# KiCad board ciaa_acc.kicad_pcb (continued)
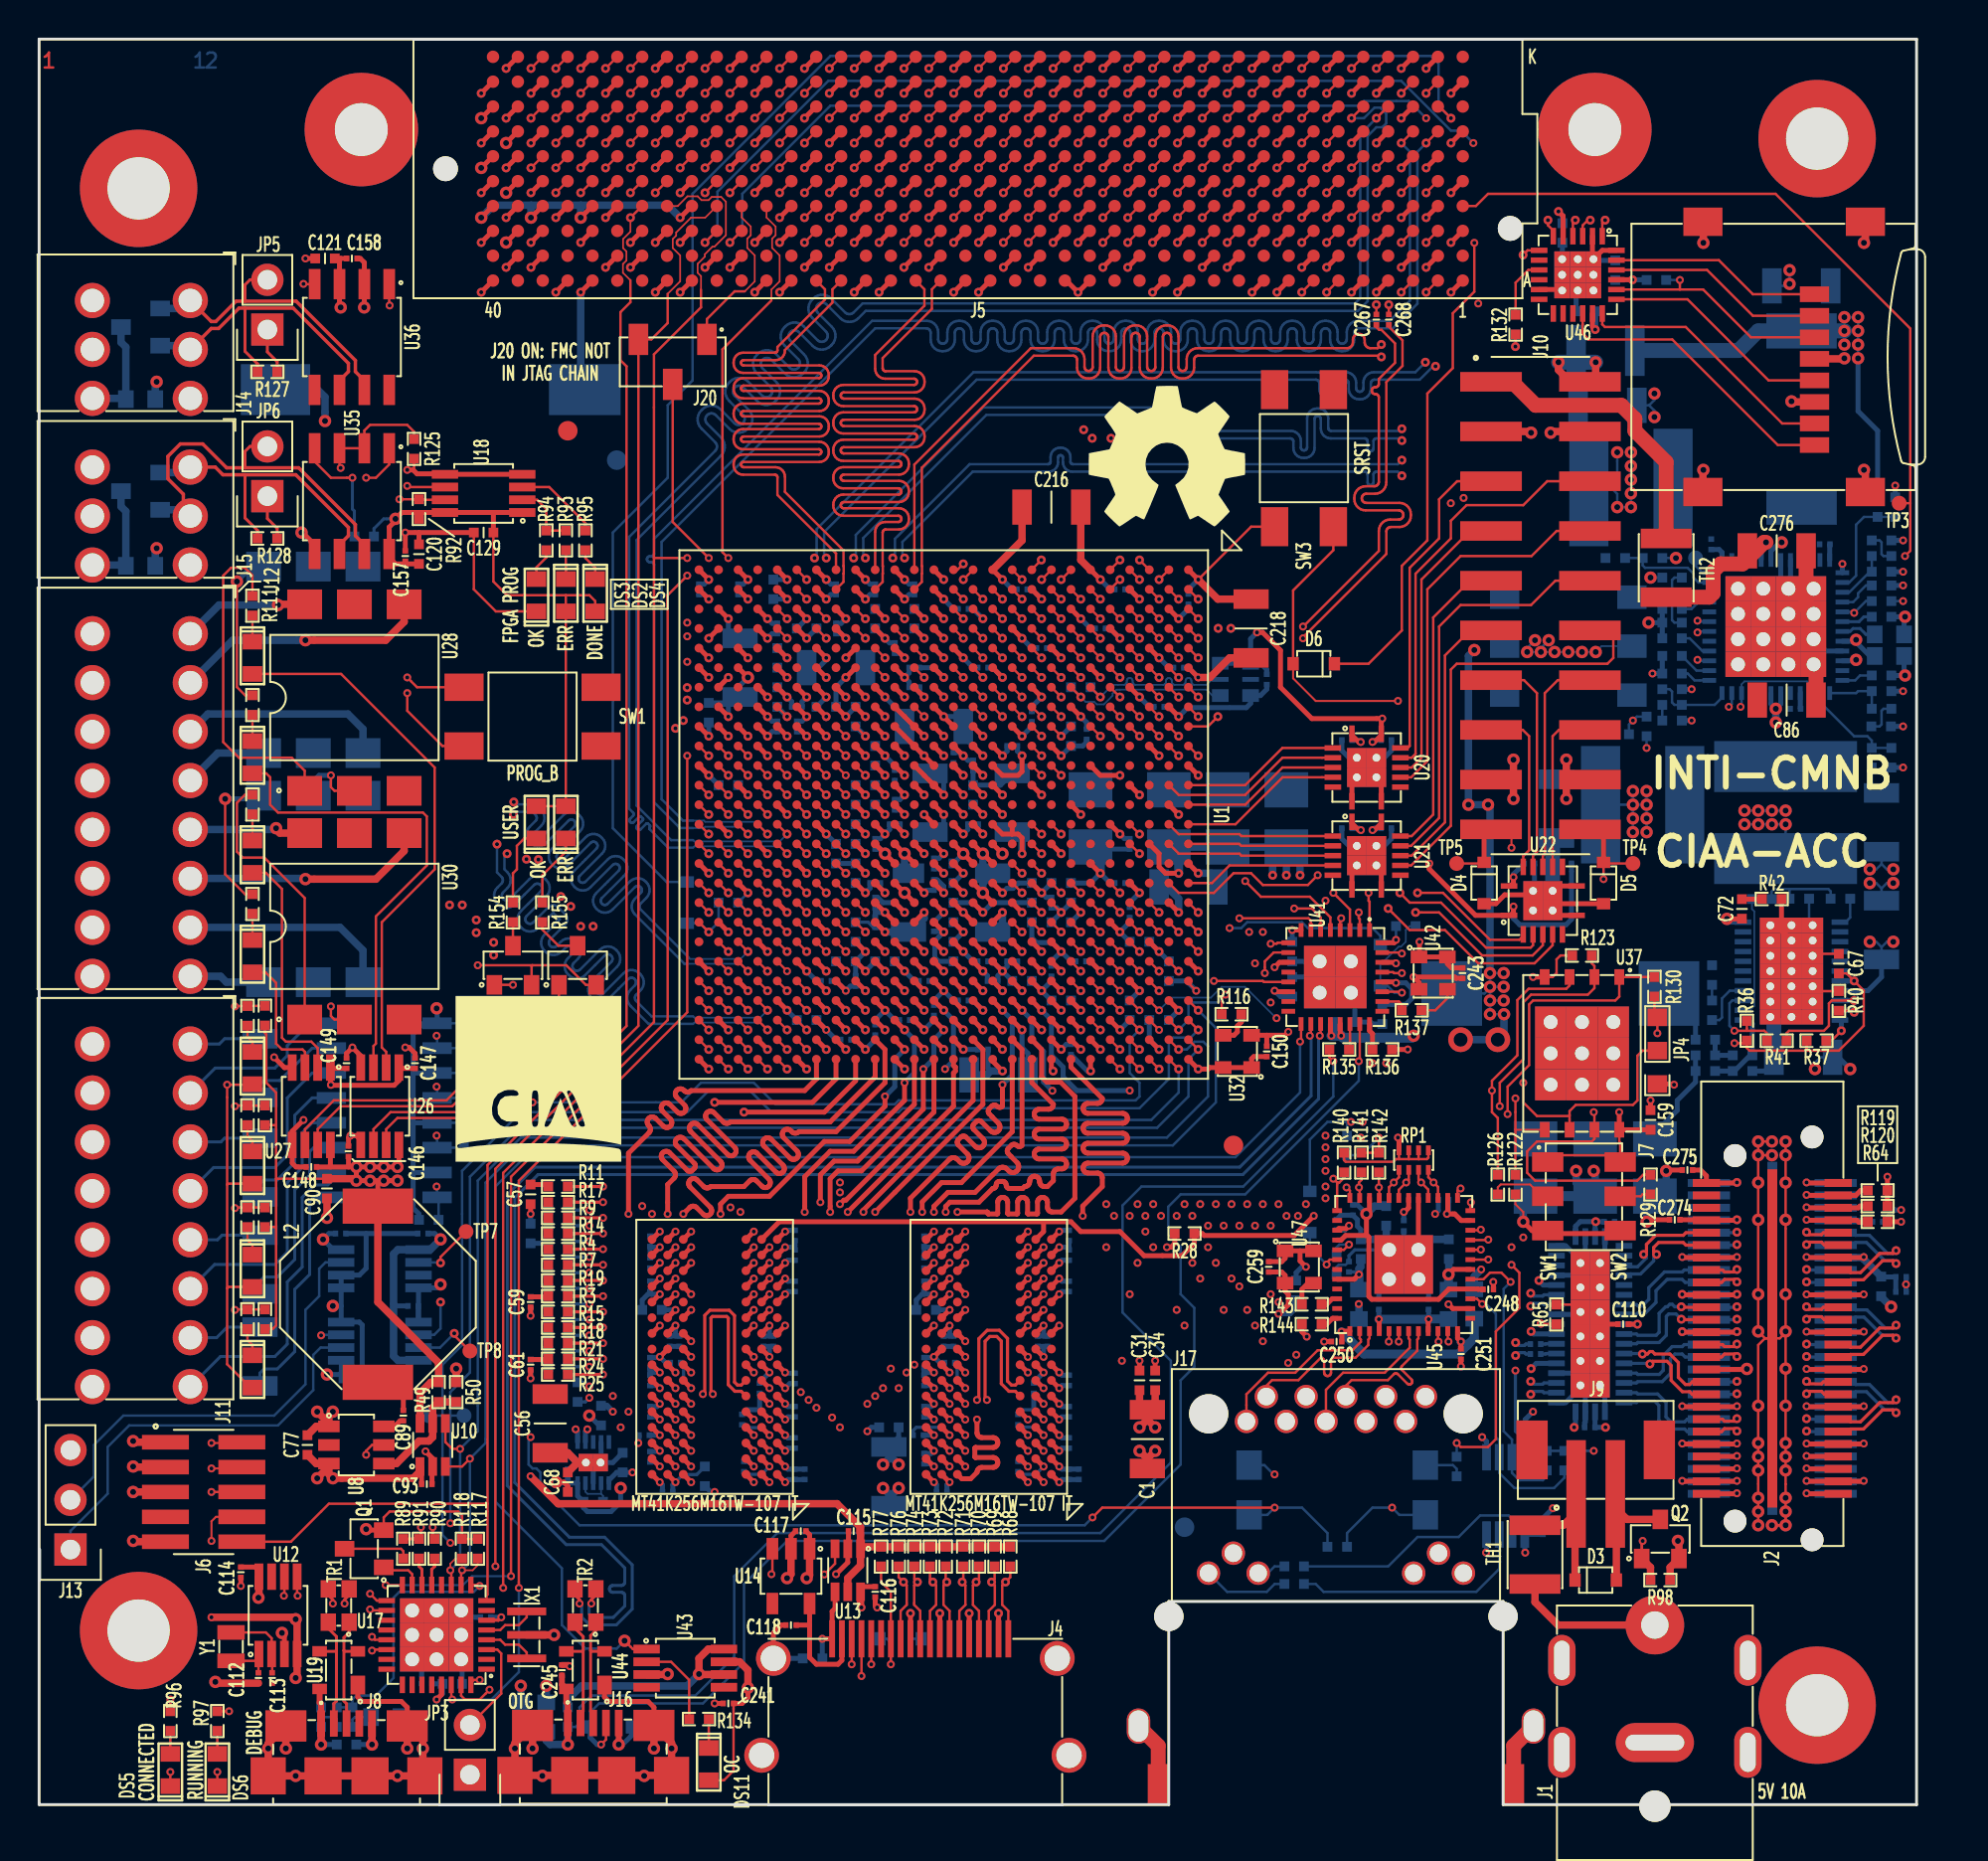
[diagram p0: board, top side]
## Routing (per net, layer and track width the routed paths; a pad name or vN(x,y) marks a point on that pad's centre or on a via; arc(x,y) is an arc through that point) (continued)
/Principal/BANK_501/ETH_RX2: length 38.1
  TOP_L1.Sig w0.127: U45.28 70.94,31.42 v1(70.58,31.78) 70.45,31.91 RP1.7 ; U1.F19 v2(54.2,44.57)
  L3.Sig w0.107: v2(54.2,44.57) 54.7,44.07 54.7,40.27 54.9,40.07 59.5,40.07 59.56,40.06 59.61,40.05 59.66,40.02 59.7,39.98 59.73,39.93 59.74,39.88 59.75,39.82 59.75,39.57 59.76,39.51 59.77,39.46 59.8,39.41 59.84,39.37 59.89,39.34 59.94,39.33 60,39.32 60.06,39.33 60.11,39.34 60.16,39.37 60.2,39.41 60.23,39.46 60.24,39.51 60.25,39.57 60.25,40.32 60.26,40.38 60.27,40.43 60.3,40.48 60.34,40.52 60.39,40.55 60.44,40.56 60.5,40.57 60.56,40.56 60.61,40.55 60.66,40.52 60.7,40.48 60.73,40.43 60.74,40.38 60.76,40.26 60.77,40.21 60.8,40.16 60.84,40.12 60.89,40.09 60.94,40.08 61,40.07 61.2,40.07 61.22,40.04 61.24,40.01 61.24,39.98 61.24,39.95 61.24,39.91 61.22,39.88 61.2,39.86 60.78,39.43 60.75,39.41 60.74,39.38 60.73,39.34 60.73,39.31 60.74,39.28 60.75,39.25 60.78,39.22 60.8,39.2 60.83,39.19 60.87,39.18 60.9,39.18 60.93,39.19 60.96,39.2 60.99,39.22 61.73,39.96 61.76,39.98 61.79,40 61.82,40.01 61.85,40.01 61.89,40 61.92,39.98 61.94,39.96 61.96,39.94 61.98,39.91 61.99,39.87 61.99,39.84 61.98,39.81 61.96,39.78 61.94,39.75 61.62,39.43 61.6,39.41 61.59,39.38 61.58,39.34 61.58,39.31 61.59,39.28 61.6,39.25 61.62,39.22 61.65,39.2 61.68,39.19 61.71,39.18 61.75,39.18 61.78,39.19 61.81,39.2 61.84,39.22 62.15,39.54 62.18,39.56 62.21,39.58 62.24,39.58 62.28,39.58 62.31,39.58 62.34,39.56 62.37,39.54 62.39,39.51 62.4,39.48 62.41,39.45 62.41,39.42 62.4,39.38 62.39,39.35 62.37,39.33 62.26,39.22 62.24,39.2 62.23,39.16 62.22,39.13 62.22,39.1 62.23,39.07 62.24,39.04 62.26,39.01 62.29,38.99 62.32,38.97 62.35,38.97 62.38,38.97 62.42,38.97 62.45,38.99 62.47,39.01 62.58,39.12 62.61,39.14 62.64,39.15 62.67,39.16 62.7,39.16 62.73,39.15 62.76,39.14 62.79,39.12 62.81,39.09 62.83,39.06 62.83,39.03 62.83,38.99 62.83,38.96 62.81,38.93 62.79,38.9 62.68,38.8 62.66,38.77 62.65,38.74 62.64,38.71 62.64,38.67 62.65,38.64 62.66,38.61 62.68,38.59 62.71,38.56 62.74,38.55 62.77,38.54 62.81,38.54 62.84,38.55 62.87,38.56 62.9,38.59 63,38.69 63.03,38.71 63.06,38.73 63.09,38.73 63.13,38.73 63.16,38.73 63.19,38.71 63.22,38.69 63.24,38.66 63.25,38.63 63.26,38.6 63.26,38.57 63.25,38.54 63.24,38.51 63.22,38.48 63.11,38.37 63.09,38.35 63.07,38.32 63.07,38.28 63.07,38.25 63.07,38.22 63.09,38.19 63.11,38.16 63.14,38.14 63.17,38.13 63.2,38.12 63.23,38.12 63.26,38.13 63.3,38.14 63.32,38.16 63.43,38.27 63.45,38.29 63.48,38.3 63.52,38.31 63.55,38.31 63.58,38.3 63.61,38.29 63.64,38.27 63.66,38.24 63.68,38.21 63.68,38.18 63.68,38.14 63.68,38.11 63.66,38.08 63.64,38.05 63.53,37.95 63.51,37.92 63.5,37.89 63.49,37.86 63.49,37.83 63.5,37.79 63.51,37.76 63.53,37.74 63.56,37.72 63.59,37.7 63.62,37.69 63.66,37.69 63.69,37.7 63.72,37.72 63.75,37.74 63.85,37.84 63.88,37.86 63.91,37.88 63.94,37.89 63.97,37.89 64.01,37.88 64.04,37.86 64.06,37.84 64.08,37.82 64.1,37.79 64.11,37.75 64.11,37.72 64.1,37.69 64.08,37.66 64.06,37.63 63.96,37.52 63.94,37.5 63.92,37.47 63.91,37.44 63.91,37.4 63.92,37.37 63.94,37.34 63.96,37.31 63.98,37.29 64.01,37.28 64.05,37.27 64.08,37.27 64.11,37.28 64.14,37.29 64.17,37.31 64.28,37.42 64.3,37.44 64.33,37.45 64.37,37.46 64.4,37.46 64.43,37.45 64.46,37.44 64.49,37.42 64.51,37.39 64.52,37.36 64.53,37.33 64.53,37.3 64.52,37.26 64.51,37.23 64.49,37.21 64.38,37.1 64.36,37.07 64.35,37.04 64.34,37.01 64.34,36.98 64.35,36.94 64.36,36.91 64.38,36.89 64.41,36.87 64.44,36.85 64.47,36.85 64.5,36.85 64.54,36.85 64.57,36.87 64.59,36.89 64.7,36.99 64.73,37.02 64.76,37.03 64.79,37.04 64.82,37.04 64.86,37.03 64.89,37.02 64.91,36.99 64.93,36.97 64.95,36.94 64.96,36.9 64.96,36.87 64.95,36.84 64.93,36.81 64.91,36.78 64.81,36.68 64.79,36.65 64.77,36.62 64.76,36.59 64.76,36.55 64.77,36.52 64.79,36.49 64.81,36.46 64.83,36.44 64.86,36.43 64.9,36.42 64.93,36.42 64.96,36.43 64.99,36.44 65.02,36.46 65.12,36.57 65.15,36.59 65.18,36.61 65.21,36.61 65.25,36.61 65.28,36.61 65.31,36.59 65.34,36.57 65.36,36.54 65.37,36.51 65.38,36.48 65.38,36.45 65.37,36.41 65.36,36.38 65.34,36.36 65.23,36.25 65.21,36.23 65.19,36.2 65.19,36.16 65.19,36.13 65.19,36.1 65.21,36.07 65.23,36.04 65.26,36.02 65.29,36 65.32,36 65.35,36 65.39,36 65.42,36.02 65.44,36.04 65.55,36.15 65.57,36.17 65.61,36.18 65.64,36.19 65.67,36.19 65.7,36.18 65.73,36.17 65.76,36.15 65.78,36.12 65.8,36.09 65.8,36.06 65.8,36.02 65.8,35.99 65.78,35.96 65.76,35.93 65.65,35.83 65.63,35.8 65.62,35.77 65.61,35.74 65.61,35.7 65.62,35.67 65.63,35.64 65.65,35.62 65.68,35.59 65.71,35.58 65.74,35.57 65.78,35.57 65.81,35.58 65.84,35.59 65.87,35.62 65.97,35.72 66,35.74 66.03,35.76 66.06,35.76 66.1,35.76 66.13,35.76 66.16,35.74 66.19,35.72 66.21,35.7 66.22,35.66 66.23,35.63 66.23,35.6 66.22,35.57 66.21,35.54 66.19,35.51 66.08,35.4 66.06,35.38 66.04,35.35 66.04,35.31 66.04,35.28 66.04,35.25 66.06,35.22 66.08,35.19 66.11,35.17 66.14,35.16 66.17,35.15 66.2,35.15 66.23,35.16 66.26,35.17 66.29,35.19 66.4,35.3 66.42,35.32 66.45,35.33 66.49,35.34 66.52,35.34 66.55,35.33 66.58,35.32 66.61,35.3 66.63,35.27 66.64,35.24 66.65,35.21 66.65,35.17 66.64,35.14 66.63,35.11 66.61,35.08 66.5,34.98 66.48,34.95 66.47,34.92 66.46,34.89 66.46,34.86 66.47,34.82 66.48,34.79 66.5,34.77 67.2,34.07 v1(67.5,34.07)
  L5.Sig w0.107: v1(70.58,31.78) 68.79,33.57 68,33.57 v1(67.5,34.07)
/Principal/BANK_501/ETH_RX3: length 38.1
  TOP_L1.Sig w0.127: U1.H17 v2(52.2,46.57) ; U45.27 71.44,31.55 v1(71.22,31.78) 70.95,32.04 RP1.8
  L3.Sig w0.107: v1(71.22,31.78) 70.58,31.14 68.17,31.14 67.92,31.4 67.92,32.55 62.52,37.95 61.8,37.95 61.77,37.96 61.73,37.97 61.71,37.99 61.68,38.01 61.66,38.04 61.65,38.07 61.65,38.1 61.65,38.28 61.65,38.31 61.64,38.34 61.62,38.37 61.59,38.4 61.57,38.41 61.53,38.43 61.5,38.43 61.47,38.43 61.43,38.41 61.41,38.4 61.38,38.37 61.36,38.34 61.35,38.31 61.35,38.28 61.35,37.63 61.35,37.59 61.34,37.56 61.32,37.53 61.29,37.51 61.27,37.49 61.23,37.48 61.2,37.48 61.17,37.48 61.13,37.49 61.11,37.51 61.08,37.53 61.06,37.56 61.05,37.59 61.05,37.63 61.05,38.28 61.05,38.31 61.04,38.34 61.02,38.37 60.99,38.4 60.97,38.41 60.93,38.43 60.9,38.43 60.87,38.43 60.83,38.41 60.81,38.4 60.78,38.37 60.76,38.34 60.75,38.31 60.75,38.28 60.75,37.63 60.75,37.59 60.74,37.56 60.72,37.53 60.69,37.51 60.67,37.49 60.63,37.48 60.6,37.48 60.57,37.48 60.53,37.49 60.51,37.51 60.48,37.53 60.46,37.56 60.45,37.59 60.45,37.63 60.45,38.28 60.45,38.31 60.44,38.34 60.42,38.37 60.39,38.4 60.37,38.41 60.33,38.43 60.3,38.43 60.27,38.43 60.23,38.41 60.21,38.4 60.18,38.37 60.16,38.34 60.15,38.31 60.15,38.28 60.15,37.63 60.15,37.59 60.14,37.56 60.12,37.53 60.09,37.51 60.07,37.49 60.03,37.48 60,37.48 59.97,37.48 59.93,37.49 59.91,37.51 59.88,37.53 59.86,37.56 59.85,37.59 59.85,37.63 59.85,37.8 59.85,37.84 59.84,37.87 59.82,37.9 59.79,37.92 59.77,37.94 59.73,37.95 59.7,37.95 53.02,37.95 52.7,38.27 52.7,46.07 v2(52.2,46.57)
/Principal/BANK_501/ETH_RX_CLK: length 37.8
  TOP_L1.Sig w0.127: R141.2 67.54,31.91 67.41,31.78 v1(67.41,31.52) 67.44,31.49 U45.35 ; U1.G22 v2(53.2,41.57)
  L10.Sig w0.107: v2(53.2,41.57) 53.7,41.07 54.3,41.07 54.7,40.67 54.7,40.5 55.13,40.07 55.3,40.07 55.7,39.67 55.7,37.37 56.2,36.87 56.2,34.07 56.22,34.04 56.24,34.01 56.24,33.98 56.24,33.95 56.24,33.91 56.22,33.88 56.2,33.86 55.99,33.65 55.97,33.63 55.96,33.6 55.95,33.56 55.95,33.53 55.96,33.5 55.97,33.47 55.99,33.44 56.02,33.42 56.05,33.4 56.08,33.4 56.12,33.4 56.15,33.4 56.18,33.42 56.21,33.44 56.83,34.06 56.86,34.08 56.89,34.1 56.92,34.11 56.95,34.11 56.99,34.1 57.02,34.08 57.04,34.06 57.06,34.04 57.08,34.01 57.08,33.97 57.08,33.94 57.08,33.91 57.06,33.88 57.04,33.85 56.31,33.12 56.29,33.1 56.28,33.07 56.27,33.03 56.27,33 56.28,32.97 56.29,32.94 56.31,32.91 56.34,32.89 56.37,32.87 56.4,32.87 56.44,32.87 56.47,32.87 56.5,32.89 56.53,32.91 57.25,33.64 57.28,33.66 57.31,33.67 57.34,33.68 57.38,33.68 57.41,33.67 57.44,33.66 57.47,33.64 57.49,33.61 57.5,33.58 57.51,33.55 57.51,33.52 57.5,33.48 57.49,33.45 57.47,33.43 56.74,32.7 56.72,32.67 56.7,32.64 56.69,32.61 56.69,32.58 56.7,32.54 56.72,32.51 56.74,32.49 56.76,32.46 56.79,32.45 56.83,32.44 56.86,32.44 56.89,32.45 56.92,32.46 56.95,32.49 57.68,33.21 57.7,33.24 57.73,33.25 57.77,33.26 57.8,33.26 57.83,33.25 57.86,33.24 57.89,33.21 57.91,33.19 57.93,33.16 57.93,33.13 57.93,33.09 57.93,33.06 57.91,33.03 57.89,33 57.16,32.27 57.14,32.25 57.13,32.22 57.12,32.18 57.12,32.15 57.13,32.12 57.14,32.09 57.16,32.06 57.19,32.04 57.22,32.03 57.25,32.02 57.28,32.02 57.32,32.03 57.35,32.04 57.37,32.06 58.1,32.79 58.13,32.81 58.16,32.83 58.19,32.83 58.23,32.83 58.26,32.83 58.29,32.81 58.31,32.79 58.34,32.76 58.35,32.73 58.36,32.7 58.36,32.67 58.35,32.63 58.34,32.6 58.31,32.58 57.59,31.85 57.56,31.82 57.55,31.79 57.54,31.76 57.54,31.73 57.55,31.69 57.56,31.66 57.59,31.64 57.61,31.62 57.64,31.6 57.67,31.59 57.71,31.59 57.74,31.6 57.77,31.62 57.8,31.64 58.53,32.37 58.55,32.39 58.58,32.4 58.62,32.41 58.65,32.41 58.68,32.4 58.71,32.39 58.74,32.37 58.76,32.34 58.77,32.31 58.78,32.28 58.78,32.24 58.77,32.21 58.76,32.18 58.74,32.15 58.01,31.43 57.99,31.4 57.97,31.37 57.97,31.34 57.97,31.3 57.97,31.27 57.99,31.24 58.01,31.21 58.04,31.19 58.07,31.18 58.1,31.17 58.13,31.17 58.17,31.18 58.2,31.19 58.22,31.21 58.53,31.52 58.56,31.55 58.59,31.56 58.62,31.57 58.66,31.57 58.69,31.56 58.72,31.55 58.75,31.52 59.1,31.17 64.8,31.17 65.6,30.37 66.9,30.37 67.41,30.88 v1(67.41,31.52)
/Principal/BANK_501/ETH_RX_CTL: length 37.7
  TOP_L1.Sig w0.127: R142.2 v1(68.42,31.52) 68.44,31.5 U45.33 ; U1.F18 v2(54.2,45.57)
  L8.Sig w0.107: v1(67.6,34.87) 67.9,34.57 67.9,32.05 v1(68.42,31.52)
  L10.Sig w0.107: v2(54.2,45.57) 54.7,46.07 59.27,46.07 60.3,45.04 60.3,43.87 62.4,41.77 62.4,37.87 62.41,37.86 62.41,37.85 62.41,37.84 62.41,37.83 62.41,37.82 62.41,37.81 62.39,37.79 62.39,37.78 62.39,37.77 62.39,37.76 62.39,37.75 62.39,37.74 62.4,37.73 62.55,37.58 62.56,37.57 62.57,37.57 62.58,37.56 62.59,37.56 62.6,37.57 62.61,37.57 62.62,37.58 63.29,38.24 63.32,38.27 63.35,38.28 63.38,38.29 63.42,38.29 63.45,38.28 63.48,38.27 63.51,38.24 63.53,38.22 63.55,38.19 63.56,38.15 63.56,38.12 63.55,38.08 63.53,38.05 63.51,38.02 62.84,37.36 62.84,37.35 62.83,37.34 62.83,37.33 62.83,37.32 62.83,37.3 62.84,37.29 62.84,37.29 62.99,37.13 63,37.13 63.01,37.12 63.02,37.12 63.03,37.12 63.05,37.12 63.06,37.13 63.06,37.13 63.73,37.8 63.76,37.82 63.79,37.84 63.83,37.85 63.86,37.85 63.89,37.84 63.93,37.82 63.95,37.8 63.98,37.77 63.99,37.74 64,37.71 64,37.67 63.99,37.64 63.98,37.61 63.95,37.58 63.29,36.91 63.28,36.9 63.27,36.89 63.27,36.88 63.27,36.87 63.27,36.86 63.28,36.85 63.29,36.84 63.44,36.69 63.45,36.68 63.46,36.68 63.47,36.68 63.48,36.68 63.49,36.68 63.5,36.68 63.51,36.69 64.17,37.36 64.2,37.38 64.23,37.4 64.27,37.4 64.3,37.4 64.34,37.4 64.37,37.38 64.4,37.36 64.42,37.33 64.43,37.3 64.44,37.27 64.44,37.23 64.43,37.2 64.42,37.16 64.4,37.14 63.73,36.47 63.72,36.46 63.72,36.45 63.72,36.44 63.72,36.43 63.72,36.42 63.72,36.41 63.73,36.4 63.88,36.25 63.89,36.24 63.9,36.24 63.91,36.23 63.92,36.23 63.93,36.24 63.94,36.24 63.95,36.25 64.62,36.92 64.65,36.94 64.68,36.95 64.71,36.96 64.75,36.96 64.78,36.95 64.81,36.94 64.84,36.92 64.86,36.89 64.88,36.86 64.88,36.82 64.88,36.79 64.88,36.75 64.86,36.72 64.84,36.69 64.32,36.17 64.3,36.15 64.28,36.11 64.27,36.08 64.27,36.04 64.28,36.01 64.3,35.98 64.32,35.95 64.5,35.77 64.7,35.77 64.73,35.77 64.77,35.79 64.8,35.8 64.82,35.83 64.84,35.86 64.85,35.89 64.86,35.93 64.86,36.01 64.86,36.05 64.87,36.08 64.89,36.11 64.92,36.14 64.95,36.15 64.98,36.17 65.01,36.17 65.05,36.17 65.08,36.15 65.11,36.14 65.14,36.11 65.15,36.08 65.17,36.05 65.17,36.01 65.17,35.93 65.17,35.89 65.19,35.86 65.2,35.83 65.23,35.8 65.26,35.79 65.29,35.77 65.33,35.77 65.36,35.77 65.39,35.79 65.42,35.8 65.45,35.83 65.47,35.86 65.48,35.89 65.48,35.93 65.48,36.66 65.49,36.7 65.5,36.73 65.52,36.76 65.54,36.79 65.57,36.8 65.61,36.82 65.64,36.82 65.67,36.82 65.71,36.8 65.74,36.79 65.76,36.76 65.78,36.73 65.79,36.7 65.8,36.66 65.8,35.93 65.8,35.89 65.81,35.86 65.83,35.83 65.86,35.8 65.89,35.79 65.92,35.77 65.95,35.77 66.8,35.77 67.6,34.97 v1(67.6,34.87)
/Principal/BANK_501/ETH_TX0: length 36.4
  TOP_L1.Sig w0.127: v1(74.01,27.84) 74.01,27.84 U45.19 ; U1.G17 v2(53.2,46.57)
  L3.Sig w0.107: v1(74.01,27.84) 73.61,27.84 73.12,28.33 73.12,29.75 73.5,30.13 73.5,31.14 71.98,32.67 68.2,32.67 61.92,38.95 53.92,38.95 53.7,39.17 53.7,46.07 v2(53.2,46.57)
/Principal/BANK_501/ETH_TX1: length 36.4
  TOP_L1.Sig w0.127: U1.G20 v2(53.2,43.57) ; v1(73.63,28.35) 73.62,28.34 U45.20
  L5.Sig w0.107: v1(73.63,28.35) 73.12,28.86 73.12,29.75 73.5,30.12 73.5,31.57 72.8,32.27 72.24,32.27 71.35,31.37 69,31.37 68.8,31.57 68.8,31.77 68.2,32.37 v1(65.7,32.37)
  L10.Sig w0.107: v1(65.7,32.37) 61.5,32.37 60.61,33.26 60.58,33.3 60.56,33.35 60.54,33.39 60.54,33.45 60.56,33.49 60.58,33.54 60.61,33.58 60.66,33.63 60.69,33.67 60.71,33.71 60.72,33.76 60.72,33.81 60.71,33.86 60.69,33.91 60.66,33.95 60.62,33.98 60.58,34 60.53,34.01 60.48,34.01 60.43,34 60.38,33.98 60.34,33.95 60.29,33.9 60.25,33.87 60.21,33.84 60.16,33.83 60.11,33.83 60.06,33.84 60.01,33.87 59.97,33.9 59.94,33.94 59.92,33.98 59.91,34.03 59.91,34.08 59.92,34.13 59.94,34.18 59.97,34.22 60.02,34.27 60.06,34.31 60.08,34.35 60.09,34.4 60.09,34.45 60.08,34.5 60.06,34.55 60.02,34.58 59.98,34.62 59.94,34.64 59.89,34.65 59.84,34.65 59.79,34.64 59.75,34.62 59.71,34.58 59.65,34.53 59.62,34.5 59.57,34.48 59.52,34.47 59.47,34.47 59.42,34.48 59.38,34.5 59.34,34.53 59.3,34.57 59.28,34.62 59.27,34.67 59.27,34.72 59.28,34.77 59.3,34.81 59.34,34.85 59.42,34.94 59.45,34.98 59.48,35.02 59.49,35.07 59.49,35.12 59.48,35.17 59.45,35.22 59.42,35.26 59.38,35.29 59.34,35.31 59.29,35.32 59.24,35.32 59.19,35.31 59.14,35.29 59.1,35.26 59.02,35.17 58.98,35.14 58.93,35.12 58.88,35.11 58.83,35.11 58.78,35.12 58.74,35.14 58.7,35.17 58.7,39.87 58.5,40.07 58,40.07 57.7,40.37 57.7,40.6 57.23,41.07 57,41.07 56.7,41.37 56.7,41.64 56.27,42.07 55.9,42.07 55.7,42.27 55.7,42.87 55.5,43.07 53.7,43.07 v2(53.2,43.57)
/Principal/BANK_501/ETH_TX2: length 36.4
  TOP_L1.Sig w0.127: U1.G19 v2(53.2,44.57) ; v1(74.01,28.86) 73.99,28.84 U45.21
  L5.Sig w0.107: v1(74.01,28.86) 74.01,31.46 71,34.47 66,34.47 v1(65.7,34.17)
  L10.Sig w0.107: v1(65.7,34.17) 63,34.17 62.62,34.55 62.59,34.59 62.56,34.64 62.55,34.7 62.55,34.75 62.56,34.81 62.59,34.86 62.62,34.9 62.69,34.97 62.72,35.01 62.75,35.06 62.76,35.12 62.76,35.17 62.75,35.23 62.72,35.28 62.69,35.32 62.65,35.36 62.6,35.38 62.54,35.4 62.48,35.4 62.43,35.38 62.38,35.36 62.34,35.32 62.27,35.26 62.22,35.22 62.17,35.2 62.12,35.18 62.06,35.18 62.01,35.2 61.96,35.22 61.91,35.26 61.88,35.3 61.86,35.35 61.84,35.4 61.84,35.46 61.86,35.52 61.88,35.57 61.91,35.61 61.98,35.68 62.02,35.72 62.04,35.77 62.05,35.83 62.05,35.88 62.04,35.94 62.02,35.99 61.98,36.03 61.94,36.07 61.89,36.09 61.83,36.1 61.78,36.1 61.72,36.09 61.67,36.07 61.63,36.03 61.56,35.96 61.52,35.93 61.47,35.9 61.41,35.89 61.36,35.89 61.3,35.9 61.25,35.93 61.21,35.96 61.17,36.01 61.15,36.06 61.14,36.11 61.14,36.17 61.15,36.22 61.17,36.27 61.21,36.32 61.28,36.38 61.31,36.43 61.33,36.48 61.35,36.53 61.35,36.59 61.33,36.64 61.31,36.69 61.28,36.74 61.23,36.77 61.18,36.8 61.13,36.81 61.07,36.81 61.02,36.8 60.97,36.77 60.92,36.74 60.85,36.67 60.81,36.64 60.76,36.61 60.7,36.6 60.65,36.6 60.59,36.61 60.54,36.64 60.5,36.67 60.5,40.67 58.7,42.47 58.7,42.77 58.2,43.27 58.2,43.65 57.7,44.15 57.7,44.77 57.52,44.95 53.58,44.95 v2(53.2,44.57)
/Principal/BANK_501/ETH_TX3: length 36.4
  TOP_L1.Sig w0.127: U45.22 73.6,29.34 v1(73.63,29.36) ; U1.H19 v2(52.2,44.57)
  L10.Sig w0.107: v2(52.2,44.57) 52.79,45.16 59.49,45.16 59.9,44.75 59.9,43.77 62.1,41.57 62.1,37.67 64.3,35.47 65.8,35.47 67.1,34.17 67.1,33.17 67.13,33.13 67.15,33.09 67.16,33.05 67.16,33.01 67.15,32.96 67.13,32.92 67.1,32.89 67,32.79 66.97,32.75 66.95,32.71 66.94,32.67 66.94,32.62 66.95,32.58 66.97,32.54 67,32.51 67.04,32.48 67.08,32.46 67.12,32.45 67.16,32.45 67.21,32.46 67.25,32.48 67.28,32.51 68.08,33.3 68.12,33.33 68.16,33.35 68.2,33.36 68.25,33.36 68.29,33.35 68.33,33.33 68.37,33.3 68.39,33.27 68.41,33.23 68.42,33.19 68.42,33.14 68.41,33.1 68.39,33.06 68.37,33.02 67.95,32.6 67.92,32.57 67.9,32.53 67.89,32.49 67.89,32.44 67.9,32.4 67.92,32.36 67.95,32.32 68.02,32.25 72.4,32.25 73.63,31.02 v1(73.63,29.36)
/Principal/BANK_501/ETH_TX_CLK: length 36.4
  TOP_L1.Sig w0.127: v1(73.12,30.76) 73.09,30.73 U45.24 ; U1.G21 v2(53.2,42.57)
  L5.Sig w0.107: v1(73.12,30.76) 73.12,31.55 72.7,31.97 72.4,31.97 71.5,31.07 66.2,31.07 v1(65.7,31.57)
  L10.Sig w0.107: v1(65.7,31.57) 65.3,31.97 60.7,31.97 60.42,32.25 60.39,32.27 60.36,32.29 60.32,32.3 60.28,32.3 60.24,32.29 60.21,32.27 60.17,32.25 60.03,32.1 60,32.07 59.96,32.06 59.92,32.05 59.88,32.05 59.84,32.06 59.81,32.07 59.78,32.1 59.75,32.13 59.74,32.16 59.73,32.2 59.73,32.24 59.74,32.28 59.75,32.32 59.78,32.35 60.32,32.89 60.35,32.92 60.37,32.96 60.37,33 60.37,33.03 60.37,33.07 60.35,33.11 60.32,33.14 60.29,33.16 60.26,33.18 60.22,33.19 60.18,33.19 60.14,33.18 60.11,33.16 60.08,33.14 59.6,32.66 59.57,32.64 59.54,32.62 59.5,32.61 59.46,32.61 59.42,32.62 59.38,32.64 59.35,32.66 59.33,32.7 59.31,32.73 59.3,32.77 59.3,32.81 59.31,32.85 59.33,32.88 59.35,32.91 59.83,33.39 59.85,33.42 59.87,33.45 59.88,33.49 59.88,33.53 59.87,33.57 59.85,33.6 59.83,33.63 59.8,33.66 59.76,33.68 59.72,33.68 59.69,33.68 59.65,33.68 59.61,33.66 59.58,33.63 59.43,33.49 59.4,33.46 59.37,33.44 59.33,33.43 59.29,33.43 59.25,33.44 59.22,33.46 59.18,33.49 59.16,33.52 59.14,33.55 59.13,33.59 59.13,33.63 59.14,33.67 59.16,33.7 59.18,33.73 59.33,33.88 59.36,33.91 59.38,33.95 59.38,33.99 59.38,34.02 59.38,34.06 59.36,34.1 59.33,34.13 59.3,34.15 59.27,34.17 59.23,34.18 59.19,34.18 59.15,34.17 59.12,34.15 59.09,34.13 58.94,33.98 58.91,33.96 58.87,33.94 58.83,33.93 58.79,33.93 58.76,33.94 58.72,33.96 58.69,33.98 58.67,34.01 58.65,34.05 58.64,34.08 58.64,34.12 58.65,34.16 58.67,34.2 58.69,34.23 58.84,34.38 58.86,34.41 58.88,34.44 58.89,34.48 58.89,34.52 58.88,34.56 58.86,34.59 58.84,34.62 58.81,34.65 58.77,34.67 58.73,34.67 58.7,34.67 58.66,34.67 58.62,34.65 58.59,34.62 58.44,34.48 58.41,34.45 58.38,34.43 58.34,34.42 58.3,34.42 58.26,34.43 58.23,34.45 58.19,34.48 58.17,34.51 58.15,34.54 58.14,34.58 58.14,34.62 58.15,34.66 58.17,34.69 58.19,34.72 58.41,34.94 58.44,34.97 58.46,35.01 58.46,35.05 58.46,35.09 58.46,35.12 58.44,35.16 58.41,35.19 58.38,35.21 58.35,35.23 58.31,35.24 58.27,35.24 58.23,35.23 58.2,35.21 58.17,35.19 57.95,34.97 57.92,34.95 57.88,34.93 57.84,34.92 57.8,34.92 57.77,34.93 57.73,34.95 57.7,34.97 57.7,39.77 57.4,40.07 57,40.07 56.7,40.37 56.7,40.6 56.23,41.07 56,41.07 55.7,41.37 55.7,41.6 55.23,42.07 53.7,42.07 v2(53.2,42.57)
/Principal/BANK_501/ETH_TX_CTL: length 36.5
  TOP_L1.Sig w0.127: v1(72.6,31.47) 72.55,31.47 72.44,31.36 U45.25 ; U1.F22 v2(54.2,41.57)
  L5.Sig w0.107: v1(72.6,31.47) 71.9,30.77 65.9,30.77 v1(65.7,30.97)
  L10.Sig w0.107: v2(54.2,41.57) 54.7,41.07 55.3,41.07 55.7,40.67 55.7,40.27 55.9,40.07 56.27,40.07 56.7,39.64 56.7,36.87 56.7,36.84 56.69,36.82 56.67,36.79 56.65,36.77 56.63,36.76 56.6,36.75 56.55,36.74 56.52,36.73 56.5,36.72 56.48,36.7 56.46,36.67 56.45,36.65 56.45,36.62 56.45,36.59 56.46,36.57 56.48,36.54 56.5,36.52 56.52,36.51 56.55,36.5 56.58,36.5 57.33,36.5 57.35,36.49 57.38,36.48 57.4,36.47 57.42,36.45 57.44,36.42 57.45,36.4 57.45,36.37 57.45,36.34 57.44,36.32 57.42,36.29 57.4,36.27 57.38,36.26 57.35,36.25 57.33,36.25 56.58,36.25 56.55,36.24 56.52,36.23 56.5,36.22 56.48,36.2 56.46,36.17 56.45,36.15 56.45,36.12 56.45,36.09 56.46,36.07 56.48,36.04 56.5,36.02 56.52,36.01 56.55,36 56.58,36 57.33,36 57.35,35.99 57.38,35.98 57.4,35.97 57.42,35.95 57.44,35.92 57.45,35.9 57.45,35.87 57.45,35.84 57.44,35.82 57.42,35.79 57.4,35.77 57.38,35.76 57.35,35.75 57.33,35.75 56.58,35.75 56.55,35.74 56.52,35.73 56.5,35.72 56.48,35.7 56.46,35.67 56.45,35.65 56.45,35.62 56.45,35.59 56.46,35.57 56.48,35.54 56.5,35.52 56.52,35.51 56.55,35.5 56.58,35.5 57.33,35.5 57.35,35.49 57.38,35.48 57.4,35.47 57.42,35.45 57.44,35.42 57.45,35.4 57.45,35.37 57.45,35.34 57.44,35.32 57.42,35.29 57.4,35.27 57.38,35.26 57.35,35.25 57.33,35.25 56.83,35.25 56.8,35.24 56.77,35.23 56.75,35.22 56.73,35.2 56.71,35.17 56.7,35.15 56.7,35.12 56.7,34.77 56.8,34.67 56.81,34.66 56.81,34.65 56.81,34.64 56.81,34.63 56.81,34.62 56.81,34.61 56.79,34.59 56.79,34.58 56.79,34.57 56.79,34.56 56.79,34.55 56.79,34.54 56.8,34.53 56.98,34.35 56.99,34.34 57,34.34 57.01,34.34 57.02,34.34 57.03,34.34 57.04,34.34 57.05,34.35 57.38,34.68 57.41,34.71 57.45,34.73 57.48,34.73 57.52,34.73 57.56,34.73 57.6,34.71 57.63,34.68 57.65,34.65 57.67,34.62 57.68,34.58 57.68,34.54 57.67,34.5 57.65,34.47 57.63,34.44 57.45,34.26 57.43,34.23 57.41,34.2 57.4,34.16 57.4,34.12 57.41,34.08 57.43,34.05 57.45,34.02 57.48,33.99 57.52,33.97 57.56,33.97 57.6,33.97 57.64,33.97 57.67,33.99 57.7,34.02 57.88,34.19 57.91,34.21 57.94,34.23 57.98,34.24 58.02,34.24 58.06,34.23 58.09,34.21 58.12,34.19 58.15,34.16 58.16,34.12 58.17,34.09 58.17,34.05 58.16,34.01 58.15,33.97 58.12,33.94 57.95,33.77 57.92,33.74 57.91,33.7 57.9,33.66 57.9,33.63 57.91,33.59 57.92,33.55 57.95,33.52 57.98,33.5 58.01,33.48 58.05,33.47 58.09,33.47 58.13,33.48 58.17,33.5 58.2,33.52 58.37,33.69 58.4,33.72 58.44,33.74 58.47,33.75 58.51,33.75 58.55,33.74 58.59,33.72 58.62,33.69 58.64,33.66 58.66,33.63 58.67,33.59 58.67,33.55 58.66,33.51 58.64,33.48 58.62,33.45 58.44,33.27 58.42,33.24 58.4,33.21 58.39,33.17 58.39,33.13 58.4,33.09 58.42,33.06 58.44,33.03 58.47,33 58.51,32.98 58.55,32.98 58.59,32.98 58.63,32.98 58.66,33 58.69,33.03 58.87,33.2 58.9,33.22 58.93,33.24 58.97,33.25 59.01,33.25 59.05,33.24 59.08,33.22 59.11,33.2 59.14,33.17 59.15,33.13 59.16,33.1 59.16,33.06 59.15,33.02 59.14,32.98 59.11,32.95 58.94,32.78 58.91,32.75 58.9,32.71 58.89,32.67 58.89,32.64 58.9,32.6 58.91,32.56 58.94,32.53 59.9,31.57 65.1,31.57 v1(65.7,30.97)
/Principal/BANK_501/MDI1_N: length 8.9
  TOP_L1.Sig w0.127: J17.2 62.68,21.39 62.97,21.68 64.31,21.68 65.46,22.82 65.49,22.82 65.53,22.81 65.57,22.79 65.59,22.76 65.61,22.73 65.63,22.69 65.63,22.65 65.63,22.07 65.64,22.03 65.65,21.99 65.67,21.96 65.7,21.93 65.73,21.91 65.77,21.9 65.81,21.89 65.84,21.9 65.88,21.91 65.92,21.93 65.94,21.96 65.96,21.99 65.98,22.03 65.98,22.07 65.98,22.65 65.99,22.69 66,22.73 66.02,22.76 66.05,22.79 66.08,22.81 66.12,22.82 66.16,22.82 67.23,22.82 67.89,23.48 67.89,23.75 67.94,23.81 U45.3
/Principal/BANK_501/MDI1_P: length 8.9
  TOP_L1.Sig w0.127: J17.1 61.66,20.96 62.76,22.06 64.16,22.06 65.3,23.21 67.08,23.21 67.5,23.63 67.5,23.75 67.44,23.81 U45.2
/Principal/BANK_501/MDI2_N: length 8.7
  TOP_L1.Sig w0.127: U45.6 69.44,23.65 v1(69.44,23.65)
  L3.Sig w0.102: J17.4 64.74,20.88 64.74,21.7 65.88,22.84 65.92,22.83 65.96,22.82 65.99,22.8 66.02,22.77 66.04,22.74 66.05,22.7 66.06,22.66 66.06,22.09 66.06,22.05 66.07,22.01 66.09,21.98 66.12,21.95 66.16,21.93 66.19,21.92 66.23,21.91 66.27,21.92 66.31,21.93 66.34,21.95 66.37,21.98 66.39,22.01 66.4,22.05 66.41,22.09 66.41,22.66 66.41,22.7 66.42,22.74 66.44,22.77 66.47,22.8 66.51,22.82 66.54,22.83 66.58,22.84 69.08,22.84 69.36,23.12 69.36,23.57 v1(69.44,23.65)
/Principal/BANK_501/MDI2_P: length 8.7
  TOP_L1.Sig w0.127: U45.5 68.94,23.66 v1(68.93,23.65)
  L3.Sig w0.102: J17.3 63.69,21.15 65.73,23.19 68.94,23.19 69.01,23.27 69.01,23.57 v1(68.93,23.65)
/Principal/BANK_501/MDI3_N: length 7.7
  TOP_L1.Sig w0.127: U45.8 70.44,23.81 70.39,23.75 70.39,23.18 69.61,22.41 69.59,22.38 69.58,22.35 69.57,22.32 69.57,22.28 69.58,22.25 69.59,22.22 69.61,22.2 70.09,21.72 70.11,21.69 70.12,21.66 70.13,21.63 70.13,21.6 70.12,21.56 70.11,21.53 70.09,21.51 70.06,21.48 70.03,21.47 70,21.46 69.97,21.46 69.93,21.47 69.9,21.48 69.88,21.51 69.4,21.98 69.37,22 69.34,22.02 69.31,22.03 69.28,22.03 69.24,22.02 69.21,22 69.19,21.98 68.88,21.68 67.03,21.68 66.74,21.39 J17.6
/Principal/BANK_501/MDI3_P: length 7.7
  TOP_L1.Sig w0.127: 65.72,19.57 65.72,21.19 66.6,22.06 68.73,22.06 70,23.34 70,23.75 69.94,23.81 U45.7
/Principal/BANK_501/MDI4_N: length 7.4
  TOP_L1.Sig w0.127: v1(71.98,23.65) 71.94,23.69 U45.11
  L3.Sig w0.102: 68.77,20.84 68.77,21.33 69.14,21.69 71.04,21.69 71.07,21.72 71.1,21.74 71.14,21.74 71.18,21.74 71.22,21.74 71.26,21.72 71.29,21.69 71.72,21.26 71.75,21.24 71.78,21.22 71.82,21.21 71.86,21.21 71.9,21.22 71.93,21.24 71.96,21.26 71.99,21.29 72.01,21.33 72.01,21.37 72.01,21.41 72.01,21.45 71.99,21.48 71.96,21.51 71.53,21.94 71.51,21.97 71.49,22.01 71.48,22.05 71.48,22.09 71.49,22.12 71.51,22.16 71.53,22.19 71.9,22.56 71.9,23.57 v1(71.98,23.65)
/Principal/BANK_501/MDI4_P: length 7.4
  TOP_L1.Sig w0.127: U45.10 71.44,23.68 v1(71.47,23.65)
  L3.Sig w0.102: v1(71.47,23.65) 71.55,23.57 71.55,22.71 70.89,22.05 68.86,22.05 67.76,20.95 J17.7
/Principal/BANK_501/OTG_VBUS_B: length 75.2
  TOP_L1.Sig w0.127: R135.2 65.9,38.17 v1(66.1,37.97)
  TOP_L1.Sig w0.305: v3(27,3.07) J16.1 27,5.15 26.92,5.22 U44.4 26.7,6.14 C245.1
  BOT_L12.Sig w0.127: v1(66.1,37.97) 66.1,36.17 61.5,31.57 56.3,31.57 55.33,30.6 55.33,25.14 57.8,22.67 57.8,17.47 54.2,13.87 37.7,13.87 35.5,11.67 35.5,7.56 33.51,5.57 28.2,5.57 27.6,4.97 27.6,4.17 27.4,3.97 FB8.2
  BOT_L12.Sig w0.381: C244.1 25.9,3.27 26.1,3.07 v3(27,3.07) FB8.2
/Principal/BANK_501/PS_SRST_B: length 170.4
  TOP_L1.Sig w0.089: 30.2,77.86 29.82,78.24 29.82,78.69 29.99,78.86 29.99,79.33 29.82,79.5 29.82,79.96 30.2,80.34 v2(30.2,81.05) 30.21,81.05
  TOP_L1.Sig w0.107: J5.D34 30.79,81.65
  TOP_L1.Sig w0.127: U17.8 22.85,10.68 22.9,10.73 22.9,15.37 ; D6.2 67.9,58.27 69.6,59.97 69.6,63.27 70.9,64.57 70.9,72.07 72.2,73.37 72.2,76.17 73.3,77.27 v1(73.3,79.77) ; 22.9,15.37 14.8,15.37 12.86,13.43 J6.10 ; 22.9,15.37 22.9,32.67 30,39.77 30,73.46 29.69,73.77 29.69,76.23 30.2,76.74 30.2,77.86 ; 30.79,81.65 v2(30.2,81.05)
  L8.Sig w0.107: v1(73.3,79.77) 72.7,80.37 72.7,88.07 71.1,89.67 36.98,89.67 30.8,83.49 30.8,81.66 v2(30.2,81.05)
/Principal/BANK_501/SDIO_CLK: length 3.1
  TOP_L1.Sig w0.127: U46.9 76.06,78.38 75.41,77.73 R132.1
/Principal/BANK_501/SDIO_CMD: length 47.9
  TOP_L1.Sig w0.127: U46.4 78.33,80.8 v2(78.46,80.93) ; U1.C19 v2(57.2,44.57)
  L3.Sig w0.107: v2(78.46,80.93) 76.9,79.37 76.9,78.97 74.7,76.77 74.7,72.77 71.5,69.57 71.5,67.17 68.9,64.57 68.9,57.47 60.8,49.37 60.8,46.17 59.7,45.07 57.7,45.07 v2(57.2,44.57)
/Principal/BANK_501/SDIO_D0: length 46.9
  TOP_L1.Sig w0.127: v2(77.06,80.93) 77.06,80.67 77.33,80.39 U46.6 ; U1.F17 v2(54.2,46.57)
  L3.Sig w0.107: v2(77.06,80.93) 76.74,80.93 73.1,77.29 73.1,72.77 70.3,69.97 70.3,67.67 67.7,65.07 67.7,57.87 57.9,48.07 55.7,48.07 v2(54.2,46.57)
/Principal/BANK_501/SDIO_D1: length 44.8